# KiCad board corne-light copy.kicad_pcb (continued)
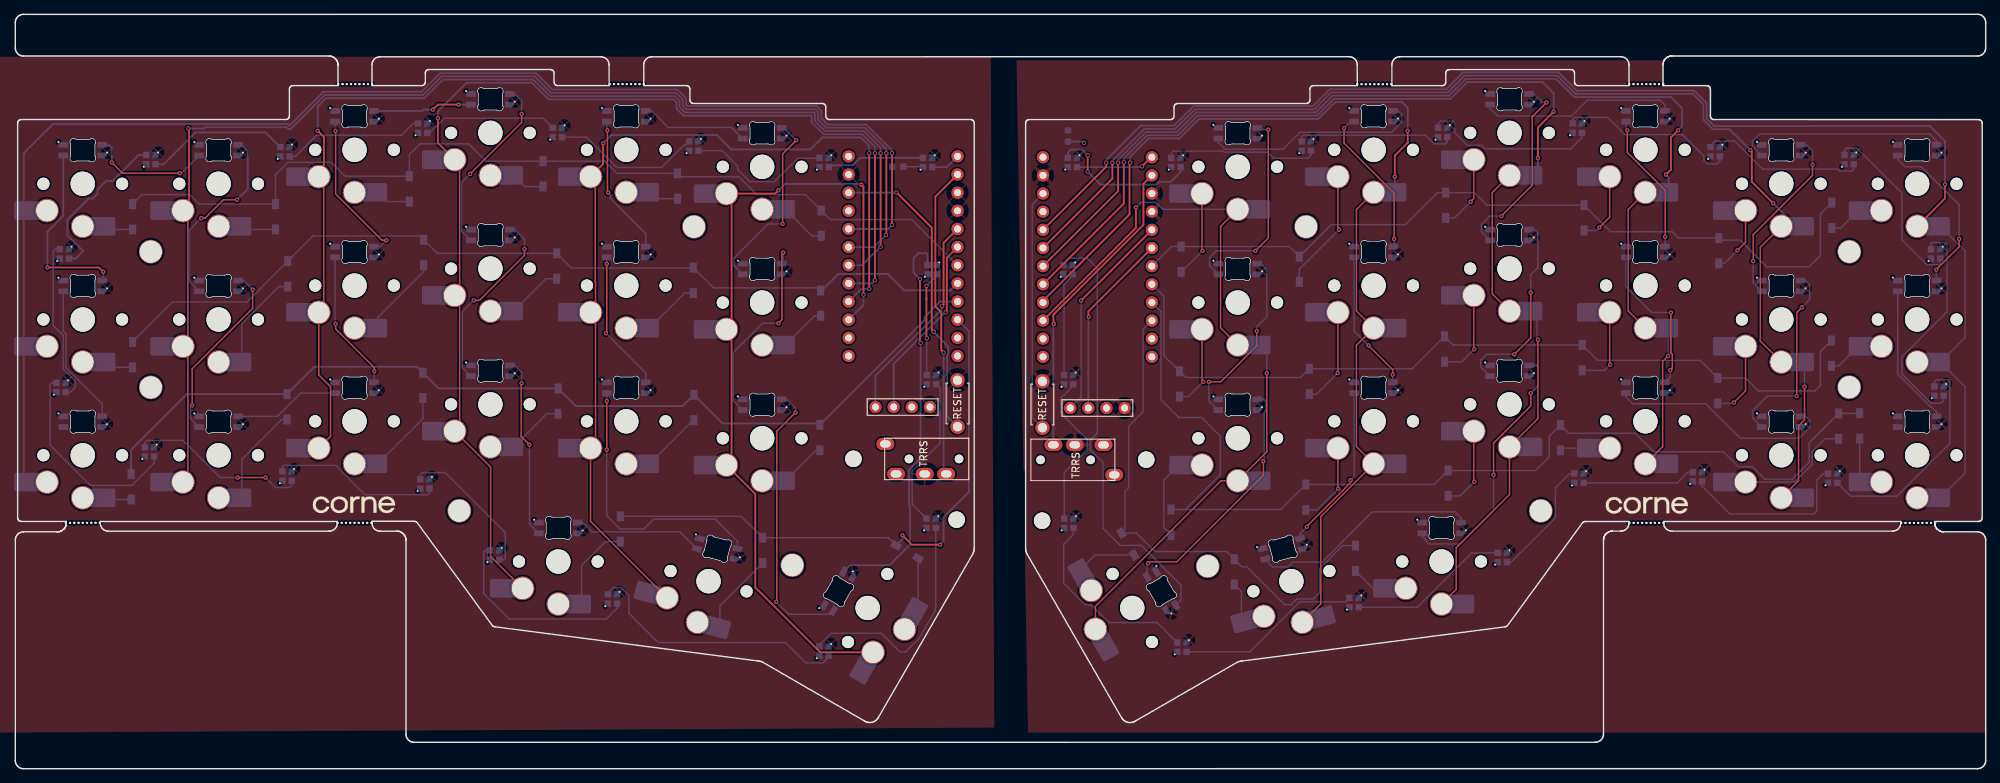
[diagram p0: board, top side]
## Nets (continued)
Net-(L39-DIN): L39.3 L45.2
Net-(L41-DIN): L41.3 L42.2
Net-(L43-DIN): L43.3 L46.2
Net-(L44-DOUT): L44.2 L47.3
Net-(L45-DIN): L45.3 L48.2
Net-(L46-DIN): L46.3 L47.2

Pads without a net: J1 A; J6 A; L13 2; L40 2; U1 11 12 13 14 24; U2 11 12 13 14 24

## Via types
v1: diameter 0.6, hole 0.3, Top to Bottom, 98 vias
v2: diameter 0.6, hole 0.4, Top to Bottom, 30 vias

## Routing (per net, layer and track width the routed paths; a pad name or vN(x,y) marks a point on that pad's centre or on a via; arc(x,y) is an arc through that point)
VCC: length 2.8
  Bottom w0.2: C1.1 126.86,84.26 BACKLED1.2
VDD: length 2.3
  Bottom w0.25: C2.1 149.27,87.78 v2(149.44,87.61)
col0: length 194.6
  Top w0.25: v2(122.59,76.1) v2(122.59,86.16)
  Bottom w0.25: SW13.1 SW7.1 SW1.1 1.19,86.15 5.28,90.24 38.11,90.24 38.34,90.01 43.09,94.76 56.82,94.76 59.42,97.36 72.8,97.36 75.1,95.06 92.57,95.06 93.79,93.83 93.79,92.96 93.99,92.76 112.03,92.76 112.69,92.09 112.69,91.06 113.59,90.16 118.98,90.16 122.59,86.54 v2(122.59,86.16) ; v2(122.59,76.1) 122.04,75.55 U1.20
col0_r: length 198.3
  Top w0.25: v1(269.82,81.78) 269.82,79.81 SW22.1 ; U2.20 152.54,84.27 v2(152.54,84.83)
  Bottom w0.2: SW34.1 272.63,41.38 272.63,53.47 SW28.1 272.63,60.38 272.63,72.47 SW22.1
  Bottom w0.25: v2(152.54,84.83) 152.54,85.21 157.34,90.01 161.99,90.01 162.86,90.87 162.89,90.87 164.77,92.76 181.44,92.76 183.79,95.11 200.09,95.11 202.44,97.46 215.79,97.46 218.34,94.91 234.73,94.91 236.49,93.14 236.49,91.01 237.54,89.96 267.69,89.96 269.82,87.83 v1(269.82,81.78)
col1: length 173.9
  Top w0.2: SW14.1 24.13,40.82 24.13,58.42 SW8.1 24.13,59.82 24.13,77.42 SW2.1
  Top w0.25: v2(24.19,89.61) 24.29,89.51 24.29,78.99 ; v2(121.74,74.71) 121.79,74.76 121.79,86.13 v2(121.79,86.13)
  Bottom w0.25: v2(121.79,86.13) 121.79,86.7 118.79,89.71 113.41,89.71 112.24,90.87 112.24,91.91 111.84,92.31 93.81,92.31 93.34,92.77 93.34,93.64 92.4,94.59 74.94,94.59 72.62,96.91 59.61,96.91 57.01,94.31 43.28,94.31 38.53,89.56 38.16,89.56 37.93,89.79 26.53,89.79 26.35,89.61 v2(24.19,89.61) ; v2(121.74,74.71) 120.05,73.01 U1.19
col1_r: length 172.2
  Top w0.2: SW35.1 249.34,40.34 249.34,48 250.17,48.84 v1(250.17,53.48) ; SW29.1 243.99,59.86 243.99,72.99 SW23.1
  Top w0.25: v1(245.79,79.16) 242.79,82.16 242.79,86.39 v1(242.6,86.59) ; v2(153.4,84.83) 153.4,82.59 U2.19
  Bottom w0.2: v1(250.17,53.48) SW29.1
  Bottom w0.25: v1(242.6,86.59) 239.68,89.51 237.36,89.51 236.04,90.82 236.04,92.96 234.54,94.46 218.16,94.46 215.61,97.01 202.63,97.01 200.28,94.66 183.98,94.66 181.63,92.31 164.96,92.31 163.07,90.42 163.04,90.42 162.18,89.56 157.88,89.56 153.4,85.07 v2(153.4,84.83) ; v1(245.79,79.16) 249.03,75.92 SW23.1
col2: length 155.1
  Top w0.2: SW3.1 43.13,82.17 43.13,64.57 SW9.1 42.43,55.12 44.08,53.47 44.08,46.52 SW15.1
  Top w0.25: v1(42.29,89.27) 43.16,88.41 43.16,83.6 SW3.1 ; v2(120.99,73.06) 120.99,73.07 120.99,86.13 v2(120.99,86.13)
  Bottom w0.25: v2(120.99,86.13) 120.99,86.87 118.6,89.26 113.22,89.26 111.79,90.68 111.79,91.72 111.66,91.86 93.62,91.86 92.89,92.58 92.89,93.46 92.21,94.14 74.75,94.14 72.43,96.46 59.79,96.46 57.19,93.86 43.47,93.86 42.29,92.68 v1(42.29,89.27) ; v2(120.99,73.06) 118.39,70.47 U1.18
col2_r: length 159.5
  Top w0.2: SW30.1 225.52,64.09 225.52,78.26 SW24.1 ; v1(231.09,57.76) 230.34,57 230.34,45.09 SW36.1
  Top w0.25: v1(230.79,83.16) 231.49,83.86 231.49,88.36 v1(232.49,89.36) ; U2.18 154.19,80.84 154.19,84.82 v2(154.2,84.83)
  Bottom w0.2: v1(231.09,57.76) 231.17,57.84 SW30.1
  Bottom w0.25: v1(232.49,89.36) 233.04,89.91 233.04,92.46 231.49,94.01 217.97,94.01 215.42,96.56 202.82,96.56 200.47,94.21 184.17,94.21 181.82,91.86 165.14,91.86 162.39,89.11 158.07,89.11 154.2,85.24 v2(154.2,84.83) ; SW24.1 231.17,82.78 v1(230.79,83.16) ; U2.18 143.7,71.11
col3: length 162.8
  Top w0.2: SW4.1 62.13,84.55 62.13,66.95 SW10.1 62.13,65.55 62.13,47.95 SW16.1 66.46,42.22 66.46,29.72 SW19.1
  Top w0.25: v2(120.18,68.37) 120.19,68.38 120.19,86.13 v2(120.19,86.13) ; v1(59.09,91.06) 59.09,87.59 SW4.1
  Bottom w0.25: v2(120.18,68.37) 119.74,67.93 U1.17 ; v2(120.19,86.13) 120.19,87.03 118.42,88.81 113.04,88.81 111.34,90.5 111.34,91.41 93.44,91.41 92.44,92.4 92.44,93.27 92.03,93.69 74.56,93.69 72.24,96.01 63.09,96.01 59.09,92.01 v1(59.09,91.06)
col3_r: length 168
  Top w0.2: SW31.1 206.52,66.46 206.52,80.64 SW25.1 ; SW40.1 201.48,25.1 201.48,30.94 208.93,38.39 SW37.1 212.89,49.01 v1(212.89,60.06)
  Top w0.25: v1(212.89,85.46) 212.89,89.75 v1(215.09,91.95) ; U2.17 154.99,79.1 154.99,84.86 v2(155,84.86)
  Bottom w0.2: v1(212.89,60.06) 212.78,60.17 212.78,63.44 SW31.1
  Bottom w0.25: v2(155,84.86) 155,85.4 158.25,88.66 162.58,88.66 165.33,91.41 182,91.41 184.35,93.76 200.65,93.76 203,96.11 213.54,96.11 215.09,94.56 v1(215.09,91.95) ; v1(212.89,85.46) 212.89,83.77 SW25.1
col4: length 133.3
  Top w0.2: SW20.1 80.43,34.62 SW17.1 81.13,45.57 81.13,63.17 SW11.1 81.13,64.57 81.13,68.12 81.09,68.16 81.09,82.21 SW5.1
  Top w0.25: SW5.1 82.19,84.64 v1(82.19,87.56) ; v2(119.39,67.16) 119.39,86.13 v2(119.39,86.13)
  Bottom w0.25: v1(82.19,87.56) 83.34,88.7 98.1,88.7 100.12,86.68 111.17,86.68 112.85,88.36 118.23,88.36 119.39,87.19 v2(119.39,86.13) ; v2(119.39,67.16) 118.29,67.16 U1.16
col4_r: length 148.7
  Top w0.2: SW26.1 187.52,78.26 187.52,64.09 SW32.1 187.52,59.26 187.52,45.09 SW38.1 182.54,35.29 182.54,23.08 SW41.1
  Top w0.25: v2(155.89,84.83) 155.79,84.73 155.79,77.59 143.7,65.5 U2.16 ; v1(194.69,89.27) 194.69,87.62 192.89,85.82 v1(192.89,82.86)
  Bottom w0.25: v2(155.89,84.83) 155.89,85.66 158.44,88.21 162.77,88.21 165.52,90.96 182.19,90.96 184.29,93.06 184.34,93.06 184.59,93.31 193.89,93.31 194.69,92.51 v1(194.69,89.27) ; SW26.1 192.89,80.95 v1(192.89,82.86)
col5: length 117.6
  Top w0.25: v2(118.59,66.36) 118.59,81.46 v1(118.29,81.76) ; v1(106.69,80.96) 106.24,80.5 SW6.1 100.16,79.77 100.16,62.22 SW12.1 100.16,60.77 100.16,43.22 SW18.1 103.47,38.46 103.47,25.38 112.56,16.29 SW21.1
  Bottom w0.25: v1(118.29,81.76) 118.19,81.86 107.59,81.86 v1(106.69,80.96) ; v2(118.59,66.36) 118.59,64.92 U1.15
col5_r: length 108.5
  Top w0.2: SW42.1 151.03,22.73 168.6,40.3 SW39.1 174.99,44.36 v1(174.99,55.36) ; SW33.1 168.53,61.7 168.53,75.9 SW27.1
  Top w0.25: v1(156.69,78.56) 156.69,75.72 U2.15
  Bottom w0.2: v1(174.99,55.36) 174.99,58.48 SW33.1 ; v1(156.69,78.56) 157.39,79.26 159.49,79.26 160.45,78.3 SW27.1
data: length 43.9
  Top w0.25: U1.2 128.64,80.07 128.64,64.71 129.47,63.88 129.47,58.58 v2(129.79,58.26)
  Bottom w0.25: J1.B 129.79,41.63 v2(129.79,58.26) 129.75,58.22
data_r: length 43.5
  Top w0.25: v1(145.19,62.26) 145.15,62.3 145.15,63.54 157.74,76.14 157.74,81.87 U2.2
  Bottom w0.25: v1(145.19,62.26) 145.15,62.21 J6.B
LED: length 4.2
  Bottom w0.25: BACKLED1.1 130.24,84.21 U1.1
LED_CONT: length 55.9
  Top w0.25: v2(126.59,59.56) 126.49,59.66 v2(126.49,68.56)
  Bottom w0.25: L21.3 116.73,28.49 122.22,28.49 125.09,31.36 125.09,36.73 124.97,36.85 124.97,41.83 126.59,43.45 v2(126.59,59.56) ; v2(126.49,68.56) 125.59,69.46 125.59,71.46 126.29,72.16 127.39,72.16 127.54,72.01 BACKLED18.3
LED_r: length 11
  Top w0.25: U2.1 158.82,85.59 v2(157.54,84.31)
  Bottom w0.25: v2(157.54,84.31) 157.44,84.2 BACKLEDr1.1
LEDr_CONT: length 60.8
  Bottom w0.2: BACKLEDr18.3 146.53,70.7 147.28,71.46 149.89,71.46 151.29,70.06 151.29,46.96 150.29,45.96 150.29,44.63 152.09,42.83 152.09,33.65 154.49,31.26 157.44,31.26 162.99,25.7 162.99,23.6 L48.3
reset: length 43.1
  Top w0.25: v2(128.39,61.16) 128.14,61.41 128.14,75.73 v2(123.22,80.66)
  Bottom w0.25: v2(128.39,61.16) 130.42,59.13 130.42,58 130.29,57.87 130.29,49.33 RSW1.1 ; U1.22 123.19,80.63 v2(123.22,80.66)
reset_r: length 34
  Bottom w0.2: RSW2.1 142.19,49.15 142.19,79 U2.22
row0: length 132.8
  Bottom w0.2: D1.1 17.72,80.36 24.39,80.36 25.72,79.03 D2.1 36.39,83.16 38.11,84.87 44.18,84.87 46.12,82.93 D3.1 55.09,85.96 56.59,87.46 63.39,87.46 65.82,85.03 D4.1 82.37,85.03 82.39,85.06 84.12,83.33 92.59,83.33 93.07,82.86 101.19,82.86 103.69,80.36 110.47,80.36 113.97,76.86 125.36,76.86 U1.7
row0_r: length 111.9
  Bottom w0.2: U2.7 161.65,73.08 D27.1 178.14,73.08 D26.1 184.02,76.16 194.39,76.16 198.87,80.63 204.02,80.63 205.79,78.86 205.82,78.88 D24.1 223.07,75.16 231.69,75.16 232.57,74.28 D23.1 238.5,73.97 241.18,73.97 244.89,70.26 250.79,70.26 252.39,71.86 252.39,77.63 D22.1
row1: length 126.8
  Bottom w0.2: D12.1 112.23,67.3 97.63,67.3 D11.1 94.74,70.08 77.75,70.08 D10.1 58.99,72.13 D9.1 56.56,74.57 41.63,74.57 D8.1 32.39,65.33 21.99,65.33 16.39,59.73
  Bottom w0.25: 112.77,66.93 115.09,69.26 121.99,69.26 124.29,66.96 130.77,66.96 U1.8
row1_r: length 116.5
  Bottom w0.2: 253.94,59.93 252.39,58.38 252.39,53.66 251.61,52.88 243.73,52.88 241.93,54.68 D29.1 235.57,57.16 221.24,57.16 D30.1 201.04,59.31 D31.1 195.32,55.98 D32.1 179.72,54.76 163.67,54.76 D33.1 160.59,57.83 160.59,66.13 U2.8
row2: length 135.8
  Bottom w0.25: U1.9 129.33,65.39 127.14,63.2 127.14,62.78 D18.1 112.3,48.32 98.9,48.32 D17.1 93.32,50.76 78.37,50.76 D16.1 59.19,53.23 D15.1 56.17,56.26 41.82,56.26 D14.1 23.99,52.43 16.19,44.64 D13.1
row2_r: length 150.4
  Bottom w0.2: U2.9 160.19,63.99 160.19,51.66 162.59,49.26 162.59,49.16 165.89,49.16 168.49,46.56 168.49,41.16 163.62,36.28 D39.1 176.94,36.28 D38.1 198.39,39.78 D37.1 212.57,41.73 214.49,43.66 214.49,46.56 D36.1 217.19,46.96 226.49,46.96 229.09,44.36 238.84,44.36 240.94,42.26 242.89,42.26 244.63,40.52 248.46,40.52 250.83,42.89 250.83,45.62 D35.1 257.87,49.73 D34.1
row3: length 81.7
  Top w0.25: v1(129.31,31.36) 125.36,31.36 v1(124.06,32.66)
  Bottom w0.2: D21.1 122.07,32.33 104.49,32.33 101.49,35.33 84.59,35.33
  Bottom w0.25: D21.1 124.06,32.15 v1(124.06,32.66) ; U1.10 133.33,61.27 133.33,38.72 129.79,35.18 129.79,31.84 v1(129.31,31.36)
row3_r: length 73.8
  Bottom w0.2: U2.10 157.69,61.5 157.69,49.96 155.69,47.96 155.69,39.36 155.15,38.81 155.15,33.49 D42.1 156.76,32.99 159.35,30.4 169.38,30.4 171.53,28.25 172.21,28.25 177.49,22.96 178.39,22.96 179.19,23.76 181.49,23.76 182.39,24.66 182.39,28.02 185.6,31.23 D40.1
SCL: length 26.1
  Top w0.25: v2(130.09,63.86) 130.24,64.01 130.24,71.51 U1.6
  Bottom w0.25: J2.2 122.81,56.68 129.99,63.86 v2(130.09,63.86)
SCL_r: length 26.1
  Top w0.25: U2.6 150.04,64.01 150.04,63.31 v1(150.09,63.26)
  Bottom w0.25: v1(150.09,63.26) 150.04,63.2 J7.2
SDA: length 29.7
  Top w0.25: v2(129.59,64.76) 129.79,64.97 129.79,73.6 U1.5
  Bottom w0.25: v2(129.59,64.76) 129.59,64.33 120.27,55.02 J2.1
SDA_r: length 29.7
  Top w0.25: v1(149.02,65.53) U2.5
  Bottom w0.2: J7.1 149.02,52 v1(149.02,65.53)
Net-(BACKLED1-DOUT): length 13.7
  Bottom w0.25: BACKLED2.1 113.99,84.46 117.09,84.46 118.14,85.51 BACKLED1.3
Net-(BACKLED2-DOUT): length 20.4
  Bottom w0.2: BACKLED3.1 98.84,86.51 100.99,84.36 100.99,83.88 102.72,82.16 106.14,82.16 109.43,85.45 112.39,85.45 BACKLED2.3
Net-(BACKLED3-DOUT): length 21
  Bottom w0.2: BACKLED4.1 79.84,88.41 84.09,84.16 90.36,84.16 93.46,87.26 93.66,87.26 BACKLED3.3
Net-(BACKLED4-DOUT): length 18.9
  Bottom w0.2: BACKLED4.3 73.8,91.05 59.99,91.05 57.94,89.01 BACKLED5.1
Net-(BACKLED5-DOUT): length 20.5
  Bottom w0.2: BACKLED6.1 39.16,85.71 42.13,88.67 54.03,88.67 55.66,90.31 BACKLED5.3
  Bottom w0.25: 38.75,85.3 BACKLED6.1
Net-(BACKLED6-DOUT): length 20.1
  Bottom w0.25: BACKLED7.1 20.74,84.61 25.19,89.06 34.99,89.06 BACKLED6.3
Net-(BACKLED7-DOUT): length 22.8
  Bottom w0.25: BACKLED7.3 17.23,85.91 13.59,82.27 12.7,82.27 11.51,81.07 11.51,80.47 10.84,79.8 10.24,79.8 7.29,76.86 7.29,74.66 9.49,72.46 8.44,71.41 BACKLED8.1
Net-(BACKLED8-DOUT): length 23
  Bottom w0.2: BACKLED8.3 5.56,72.71 5.29,72.44 5.29,62.06 6.69,60.66 6.69,55.96 8.39,54.26 8.39,53.41 7.69,52.71 BACKLED9.1
Net-(BACKLED10-DIN): length 28.6
  Bottom w0.2: BACKLED9.3 5.09,54.01 4.87,53.78 4.87,45.28 10.49,39.66 16.29,39.66 19.41,42.78 BACKLED10.1
Net-(BACKLED10-DOUT): length 24.8
  Top w0.2: v1(31.08,40.76) v1(34.99,40.76)
  Bottom w0.2: BACKLED10.3 18.11,45.66 18.41,45.96 23.45,45.96 28.65,40.76 v1(31.08,40.76) ; BACKLED11.1 38.64,39.66 38.34,39.36 36.39,39.36 v1(34.99,40.76)
Net-(BACKLED11-DOUT): length 23.7
  Bottom w0.2: BACKLED11.3 37.34,42.26 37.54,42.46 44.79,42.46 48.89,38.36 57.71,38.36 57.91,38.56 BACKLED12.1
Net-(BACKLED12-DOUT): length 20.6
  Bottom w0.2: BACKLED13.1 68.29,29.26 68.49,29.46 68.49,33.06 60.09,41.46 56.91,41.46 56.61,41.16 BACKLED12.3
Net-(BACKLED13-DOUT): length 28.2
  Bottom w0.2: BACKLED14.1 84.14,22.46 82.64,20.96 69.07,20.96 65.49,24.54 65.49,30.34 65.71,30.56 BACKLED13.3
Net-(BACKLED14-DOUT): length 37.7
  Bottom w0.2: BACKLED15.1 113.71,15.61 112.91,14.81 110.54,14.81 107.69,17.66 89.89,17.66 85.79,21.76 85.79,24.26 84.69,25.36 83.59,25.36 82.84,24.61 BACKLED14.3
Net-(BACKLED15-DOUT): length 32.8
  Bottom w0.2: BACKLED16.1 128.71,22.58 128.59,22.46 128.59,22.1 126.38,18.26 124.48,16.36 123.69,16.36 121.09,18.96 114.06,18.96 112.41,17.31 BACKLED15.3
Net-(BACKLED16-DOUT): length 21.5
  Bottom w0.2: BACKLED16.3 125.39,37.03 125.39,41.66 129.29,45.56 129.29,53.26 BACKLED17.1
Net-(BACKLED17-DOUT): length 14.7
  Top w0.25: v2(127.39,67.58) 127.39,65.76 127.4,65.76 127.4,60.3 v2(127.44,60.26)
  Bottom w0.2: BACKLED17.3 v2(127.44,60.26)
  Bottom w0.25: BACKLED18.1 128.84,69.03 v2(127.39,67.58)
Net-(BACKLEDr1-DOUT): length 21.4
  Top w0.25: v2(149.94,83.58) v2(149.94,85.86)
  Bottom w0.25: v2(149.94,83.58) 151.77,81.76 159.59,81.76 159.99,82.16 161.58,82.16 162.93,83.5 BACKLEDr2.1 ; v2(149.94,85.86) 149.14,86.66 147.61,86.66 147.16,86.2 BACKLEDr1.3
Net-(BACKLEDr2-DOUT): length 21.6
  Bottom w0.2: BACKLEDr3.1 181.16,85.85 180.76,85.45 175.93,85.45 175.08,86.3 169,86.3 168.85,86.46 161.89,86.46 161.63,86.19 BACKLEDr2.3
Net-(BACKLEDr3-DOUT): length 22.4
  Bottom w0.2: BACKLEDr4.1 200.23,87.75 199.93,87.46 198.39,87.46 197.18,88.67 180.08,88.67 179.86,88.45 BACKLEDr3.3
Net-(BACKLEDr4-DOUT): length 24.6
  Bottom w0.2: BACKLEDr4.3 198.93,90.29 199.29,90.66 200.99,90.66 201.29,90.36 201.29,89.03 203.06,87.26 204.99,87.26 205.49,86.76 217.46,86.76 219.06,88.35 BACKLEDr5.1
Net-(BACKLEDr5-DOUT): length 25.4
  Bottom w0.2: BACKLEDr5.3 217.76,90.95 217.96,91.16 222.69,91.16 225.09,88.76 233.09,88.76 236.09,85.76 236.09,85.16 236.59,84.66 237.95,84.66 238.34,85.05 BACKLEDr6.1 238.55,85.7
Net-(BACKLEDr6-DOUT): length 23
  Bottom w0.2: BACKLEDr7.1 257.06,83.92 256.79,83.66 255.09,83.66 254.83,83.92 244.33,83.92 240.39,87.86 237.7,87.86 237.04,87.2 BACKLEDr6.3
Net-(BACKLEDr7-DOUT): length 25.5
  Bottom w0.2: BACKLEDr8.1 269.16,70.75 268.96,70.56 267.29,70.56 263.79,74.06 263.79,80.56 257.49,86.86 256.06,86.86 255.76,86.55 BACKLEDr7.3
Net-(BACKLEDr8-DOUT): length 32.3
  Bottom w0.2: BACKLEDr9.1 269.63,51.56 269.23,51.16 267.88,51.16 263.79,55.24 263.79,57.66 270.09,63.96 270.09,73.36 269.79,73.66 267.99,73.66 267.86,73.52 BACKLEDr8.3
Net-(BACKLEDr10-DIN): length 31.3
  Bottom w0.2: BACKLEDr9.3 268.33,54.16 268.63,54.46 270.29,54.46 270.49,54.26 270.49,45.54 263.11,38.16 256.61,38.16 BACKLEDr10.1
Net-(BACKLEDr10-DOUT): length 24.8
  Bottom w0.2: BACKLEDr10.3 252.81,41.31 251.89,40.39 251.89,36.05 251.5,35.66 239.74,35.66 235.84,39.56 BACKLEDr11.1
Net-(BACKLEDr11-DOUT): length 15.9
  Bottom w0.2: BACKLEDr11.3 233.89,41.51 232.39,40.01 BACKLEDr12.1
Net-(BACKLEDr12-DOUT): length 17
  Bottom w0.2: BACKLEDr12.3 217.34,41.31 215.35,39.31 215.35,35.11 209.14,28.91 BACKLEDr13.1
Net-(BACKLEDr13-DOUT): length 22.6
  Bottom w0.2: BACKLEDr14.1 196.04,22.61 203.64,30.21 BACKLEDr13.3
Net-(BACKLEDr14-DOUT): length 25.9
  Bottom w0.2: BACKLEDr14.3 185.99,23.36 179.59,23.36 172.59,16.36 BACKLEDr15.1
Net-(BACKLEDr15-DOUT): length 27.6
  Bottom w0.2: BACKLEDr15.3 159.67,20.45 152.9,20.45 150.39,22.96 149.59,22.96 146.59,25.96 146.59,31.46 147.96,32.82 BACKLEDr16.1
Net-(BACKLEDr16-DOUT): length 22.4
  Bottom w0.2: BACKLEDr17.1 147.93,53.6 146.19,51.87 146.19,49.76 149.89,46.06 149.89,44.66 146.66,41.42 BACKLEDr16.3
Net-(BACKLEDr17-DOUT): length 14.6
  Bottom w0.2: BACKLEDr17.3 146.63,67.8 147.83,69 BACKLEDr18.1
Net-(D1-A): length 3.9
  Bottom w0.2: SW1.2 13.12,75.48 16.39,75.48
Net-(D2-A): length 4.9
  Bottom w0.2: 36.39,75.48 32.12,75.48 SW2.2
Net-(D3-A): length 5
  Bottom w0.2: SW3.2 51.97,79.38 D3.2
Net-(D4-A): length 4.8
  Bottom w0.2: 73.79,81.48 71.24,81.48 SW4.2
Net-(D5-A): length 4.3
  Bottom w0.2: SW5.2 89.57,79.78 D5.2
Net-(D6-A): length 6.6
  Bottom w0.2: D6.2 111.39,74.58 SW6.2
Net-(D7-A): length 4
  Bottom w0.2: SW7.2 13.42,56.18 16.39,56.18
Net-(D8-A): length 13.9
  Bottom w0.2: D8.2 36.84,67.48 31.68,62.31 SW8.2
Net-(D9-A): length 11.5
  Bottom w0.2: D9.2 57.09,69.58 50.68,63.16 SW9.2
Net-(D10-A): length 7.9
  Bottom w0.2: SW10.2 74.21,68.58 D10.2
Net-(D11-A): length 8.2
  Bottom w0.2: SW11.2 93.59,66.58 D11.2
Net-(D12-A): length 6.6
  Bottom w0.2: SW12.2 111.76,63.38 D12.2
Net-(D13-A): length 3.6
  Bottom w0.2: 16.19,37.68 12.92,37.68 SW13.2
Net-(D14-A): length 14
  Bottom w0.2: SW14.2 31.68,43.31 37.24,48.88 D14.2
Net-(D15-A): length 11.8
  Bottom w0.2: D15.2 56.99,48.99 SW15.2
Net-(D16-A): length 8.1
  Bottom w0.2: SW16.2 74.31,49.68 D16.2
Net-(D17-A): length 8.7
  Bottom w0.2: SW17.2 94.79,48.78 D17.2
Net-(D18-A): length 6.6
  Bottom w0.2: D18.2 111.96,44.58 SW18.2
Net-(D19-A): length 12.2
  Bottom w0.2: D19.2 82.52,31.78 79.18,28.44 SW19.2
Net-(D20-A): length 11.6
  Bottom w0.2: SW20.2 98.53,22.81 D20.2
Net-(D21-A): length 7.2
  Bottom w0.2: SW21.2 126.23,22.61 D21.2
Net-(D22-A): length 4.7
  Bottom w0.2: SW22.2 255.24,75.68 253.99,75.68
Net-(D23-A): length 9.4
  Top w0.2: SW23.2 241.93,73.69 v1(240.79,72.56)
  Bottom w0.2: D23.2 238.97,70.73 v1(240.79,72.56)
Net-(D24-A): length 10
  Top w0.2: SW24.2 222.93,77.19 v1(221.49,75.76)
  Bottom w0.2: 219.34,75.33 221.07,75.33 v1(221.49,75.76)
Net-(D25-A): length 10.5
  Top w0.2: v1(203.49,79.36) 203.93,79.79 SW25.2
  Bottom w0.2: v1(203.49,79.36) 201.22,77.08 D25.2
Net-(D26-A): length 17.1
  Top w0.2: SW26.2 184.93,75.62 v1(185.09,75.46)
  Bottom w0.2: v1(185.09,75.46) 179.54,69.91 D26.2
Net-(D27-A): length 13
  Top w0.2: SW27.2 165.93,72.55 v1(165.99,72.48)
  Bottom w0.2: v1(165.99,72.48) 163.04,69.53 D27.2 ; SW27.2 162.19,80.01
Net-(D28-A): length 4.9
  Bottom w0.2: SW28.2 254.94,56.38 D28.2
Net-(D29-A): length 10.8
  Top w0.2: v1(240.29,51.26) 241.93,52.89 SW29.2
  Bottom w0.2: v1(240.29,51.26) 240.17,51.13 D29.2
Net-(D30-A): length 11.6
  Top w0.2: v1(222.99,56.56) 222.93,56.62 SW30.2
  Bottom w0.2: v1(222.99,56.56) 222.19,55.76 D30.2
Net-(D31-A): length 12.4
  Top w0.2: SW31.2 203.93,58.77 v1(203.99,58.71)
  Bottom w0.2: v1(203.99,58.71) 202.24,56.96 D31.2
Net-(D32-A): length 13.7
  Top w0.2: v1(184.89,55.38) 184.93,55.42 SW32.2
  Bottom w0.2: D32.2 181.94,52.43 v1(184.89,55.38)
Net-(D33-A): length 11.6
  Top w0.2: v1(166.09,54.16) 165.93,54.32 SW33.2
  Bottom w0.2: v1(166.09,54.16) 164.02,52.08 162.79,52.08
Net-(D34-A): length 6.2
  Bottom w0.2: D34.2 257.89,40.33 SW34.2
Net-(D35-A): length 16.6
  Bottom w0.2: SW35.2 248.76,40.12 251.23,42.59 251.23,44.37 253.04,46.18 D35.2
Net-(D36-A): length 3.8
  Bottom w0.2: SW36.2 216.36,44.87 D36.2
Net-(D37-A): length 11.6
  Top w0.2: v1(203.99,40.16) 203.93,40.22 SW37.2
  Bottom w0.2: 200.34,38.18 202.02,38.18 v1(203.99,40.16)
Net-(D38-A): length 11.5
  Top w0.2: v1(184.99,39.18) 184.93,39.25 SW38.2
  Bottom w0.2: D38.2 182.04,36.23 v1(184.99,39.18)
Net-(D39-A): length 11
  Bottom w0.2: D39.2 160.59,33.73 160.59,40.41 SW39.2
Net-(D40-A): length 4.8
  Bottom w0.2: 187.39,27.68 189.83,25.25 SW40.2
Net-(D41-A): length 5.7
  Bottom w0.2: SW41.2 171.44,24.79 D41.2
Net-(D42-A): length 8.5
  Bottom w0.2: SW42.2 150.96,29.92 D42.2
Net-(L1-DIN): length 17.4
  Top w0.2: v1(13.49,84.86) 14.99,83.36 v1(22.99,83.36)
  Bottom w0.2: v1(22.99,83.36) 23.24,83.36 L2.2
  Bottom w0.25: v1(13.49,84.86) 13.49,86.86 13.09,87.26 12.22,87.26 L1.3
Net-(L1-DOUT): length 25.9
  Top w0.25: v1(12.29,69.56) 11.69,70.16 v1(4.49,70.16)
  Bottom w0.25: L7.3 12.29,68.46 v1(12.29,69.56) ; L1.2 6.71,77.37 4.49,75.16 v1(4.49,70.16)
Net-(L2-DIN): length 26.6
  Top w0.2: v1(30.99,79.63) 29.09,79.63 26.52,77.06 v1(25.99,77.06)
  Bottom w0.2: v1(25.99,77.06) 24.39,75.46 24.39,68.14 L8.2
  Bottom w0.25: L2.3 31.63,87.32 32.49,86.46 32.49,81.13 v1(30.99,79.63)
Net-(L3-DIN): length 13.9
  Top w0.25: v1(61.99,92.96) 59.09,92.96 v1(58.39,92.26)
  Bottom w0.25: v1(61.99,92.96) 62,92.95 L4.2 ; v1(58.39,92.26) 57.09,92.26 56.91,92.07 L3.3
Net-(L3-DOUT): length 22
  Top w0.2: v1(44.79,89.27) 44.79,80.46 51.28,73.97 v1(51.89,73.97)
  Bottom w0.2: v1(51.89,73.97) 51,73.07 L9.3 ; L3.2 44.71,89.36 v1(44.79,89.27)
Net-(L5-DIN): length 15.2
  Bottom w0.2: L6.2 100.15,89.76 91.29,89.76 88.98,92.07 L5.3
Net-(L10-DIN): length 26.3
  Top w0.2: v1(71.19,72.73) 71.19,71.86 64.89,65.56 v1(64.09,65.56)
  Bottom w0.2: v1(71.19,72.73) 71.19,74.09 69.83,75.45 L10.3 ; v1(64.09,65.56) 62.49,63.96 62.49,56.16 L16.2
Net-(L10-DOUT): length 25.6
  Top w0.2: v1(70.79,91.65) 70.79,90.46 v1(63.59,83.26)
  Bottom w0.2: L4.3 69.83,94.45 70.79,93.49 v1(70.79,91.65) ; L10.2 62.39,75.26 62.39,82.06 v1(63.59,83.26)
Net-(L11-DIN): length 19.8
  Top w0.2: v1(82.89,80.66) 82.79,80.76 v1(82.79,89.36)
  Bottom w0.2: v1(82.89,80.66) 83.19,80.36 83.19,79.86 88.16,74.89 L11.3 ; v1(82.79,89.36) 82.71,89.44 L5.2
Net-(L11-DOUT): length 19.9
  Top w0.2: v1(82.59,60.96) 82.69,61.06 v1(82.69,70.68)
  Bottom w0.2: v1(82.69,70.68) 82.71,70.69 L11.2 ; L17.3 88.16,55.39 v1(82.59,60.96)
Net-(L12-DIN): length 28.4
  Top w0.2: v1(107.39,72.26) 107.19,72.06 107.19,62.86 v1(106.69,62.36)
  Bottom w0.2: L12.3 107.39,70.94 v1(107.39,72.26) ; L18.2 100.39,51.51 100.39,58.26 104.49,62.36 v1(106.69,62.36)
Net-(L12-DOUT): length 26.8
  Top w0.2: v1(107.29,76.26) 107.29,86.06 v1(109.19,87.96)
  Bottom w0.2: v1(109.19,87.96) 107.45,89.7 L6.3 ; L12.2 100.49,70.41 100.49,71.46 105.29,76.26 v1(107.29,76.26)
Net-(L13-DIN): length 19.8
  Bottom w0.2: L13.3 12.16,51.06 7.09,56.12 7.09,60.82 6.71,61.21 L7.2
Net-(L14-DIN): length 14.9
  Bottom w0.2: L15.2 39.91,52.57 36.66,49.32 L14.3
Net-(L14-DOUT): length 25.9
  Top w0.2: v1(24.73,50.86) 24.73,55.98 33.19,64.44 v1(33.19,67.06)
  Bottom w0.2: L14.2 24.49,49.04 24.49,50.62 v1(24.73,50.86) ; v1(33.19,67.06) 31.93,68.32 L8.3
Net-(L15-DIN): length 19.8
  Top w0.2: v1(50.19,55.63) 50.19,56.15 44.79,61.55 v1(44.79,62.26)
  Bottom w0.2: L15.3 50.19,54.11 v1(50.19,55.63) ; L9.2 44.71,62.34 v1(44.79,62.26)
Net-(L16-DIN): length 25.6
  Top w0.2: v1(70.79,53.96) 70.73,53.89 70.73,46.52 v1(71.89,45.36)
  Bottom w0.2: L16.3 69.83,56.45 70.79,55.49 v1(70.79,53.96) ; v1(71.89,45.36) 71.89,34.26 L19.2
Net-(L17-DOUT): length 39.1
  Top w0.2: v1(82.69,51.46) v1(82.69,44.66)
  Bottom w0.2: L20.3 100.97,31.84 97.89,34.93 89.27,34.93 87.89,33.56 84.57,33.56 82.69,35.43 v1(82.69,44.66) ; v1(82.69,51.46) 82.71,51.47 L17.2
Net-(L18-DIN): length 39.6
  Top w0.2: v1(106.39,23.36) 106.48,23.44 106.48,47.24 v1(109.09,49.86)
  Bottom w0.2: L18.3 107.83,51.7 109.09,50.44 v1(109.09,49.86) ; L21.2 113.9,21.62 108.13,21.62 v1(106.39,23.36)
Net-(L19-DIN): length 18.2
  Bottom w0.2: L19.3 79.33,34.45 80.62,33.16 92.93,33.16 L20.2
Net-(L28-DIN): length 29.7
  Bottom w0.2: L29.2 243.2,86.83 243.2,86.84 242.89,87.14 242.89,87.86 243.86,88.82 267.69,88.82 268.65,87.86 L28.3
Net-(L28-DOUT): length 23.7
  Top w0.2: v1(271.79,74.16) 271.79,73.06 v1(268.59,69.86)
  Bottom w0.2: L28.2 263.2,85.29 264.24,84.26 266.49,84.26 271.79,78.96 v1(271.79,74.16) ; v1(268.59,69.86) 268.59,68.38 L34.3
Net-(L29-DIN): length 25.6
  Top w0.2: v1(242.99,71.06) 242.99,74.75 251.29,83.05 v1(251.29,84.52)
  Bottom w0.2: v1(251.29,84.52) 251.29,86.46 250.43,87.32 L29.3 ; L35.2 242.99,68.03 v1(242.99,71.06)
Net-(L30-DIN): length 27.4
  Bottom w0.2: L30.3 230.65,92.9 229.98,93.57 219.81,93.57 217.6,91.35 207.27,91.35 206.2,92.42 L31.2
Net-(L30-DOUT): length 19.8
  Top w0.2: v1(225.39,89.36) 225.39,86.26 230.69,80.96 v1(230.69,74.46)
  Bottom w0.2: L36.3 230.69,73.11 v1(230.69,74.46) ; L30.2 225.2,89.55 v1(225.39,89.36)
Net-(L31-DIN): length 27.4
  Top w0.2: v1(214.09,93.26) 212.09,91.26 212.09,81.66 v1(207.79,77.36)
  Bottom w0.2: L31.3 212.33,94.45 213.52,93.26 v1(214.09,93.26) ; L37.2 204.99,75.16 204.99,76.16 206.19,77.36 v1(207.79,77.36)
Net-(L32-DIN): length 30.6
  Bottom w0.2: L33.2 168.2,87.67 169.17,86.7 177.26,86.7 179.64,89.08 192.42,89.08 193.89,90.56 193.89,91.51 193.33,92.07 L32.3
Net-(L32-DOUT): length 21.3
  Top w0.2: v1(192.79,74.16) 192.79,80.57 185.79,87.57 v1(185.79,89.68)
  Bottom w0.2: v1(185.79,89.68) 186.69,90.57 L32.2 ; v1(192.79,74.16) 192.79,73.21 L38.3
Net-(L33-DIN): length 29
  Top w0.2: v1(173.39,72.48) 175.19,74.28 v1(175.19,89.46)
  Bottom w0.2: L39.2 166.99,70.41 166.99,71.56 167.92,72.48 v1(173.39,72.48) ; L33.3 173.9,89.46 v1(175.19,89.46)
Net-(L34-DOUT): length 19.8
  Bottom w0.2: L40.3 268.65,49.9 267.84,50.71 267.72,50.71 263.2,55.23 L34.2
Net-(L35-DIN): length 27.7
  Top w0.2: v1(249.09,52.16) 249.09,63.86 v1(249.79,64.56)
  Bottom w0.2: v1(249.79,64.56) 250.89,65.66 250.89,67.76 250.33,68.32 L35.3 ; v1(249.09,52.16) 244.99,52.16 242.89,50.06 242.89,49.13 L41.2
Net-(L36-DOUT): length 22.2
  Top w0.2: v1(231.39,55.76) 231.69,56.06 231.69,58.01 231.49,58.21 v1(231.49,63.86)
  Bottom w0.2: L42.3 231.39,54.81 v1(231.39,55.76) ; L36.2 225.2,67.45 228.8,63.86 v1(231.49,63.86)
Net-(L37-DIN): length 27.6
  Top w0.2: v1(211.89,66.66) 211.89,60.3 v1(209.59,58)
  Bottom w0.2: L37.3 212.4,75.45 212.89,74.96 212.89,70.16 211.89,69.16 v1(211.89,66.66) ; L43.2 204.89,56.26 204.89,57.16 205.74,58 v1(209.59,58)
Net-(L38-DOUT): length 19.8
  Top w0.2: v1(192.59,55.16) 192.59,55.86 v1(189.19,59.26)
  Bottom w0.2: v1(189.19,59.26) 187.2,61.25 L38.2 ; L44.3 192.59,54.13 v1(192.59,55.16)
Net-(L39-DIN): length 26.2
  Top w0.2: v1(173.59,61.26) 173.59,59.21 168.54,54.16 v1(166.89,54.16)
  Bottom w0.2: v1(166.89,54.16) 166.89,51.51 L45.2 ; v1(173.59,61.26) 173.59,61.86 174.99,63.26 174.99,69.86 174.15,70.7 L39.3
Net-(L41-DIN): length 31.8
  Bottom w0.2: L42.2 225.2,52.04 226.16,51.08 236.37,51.08 241.19,46.26 249.39,46.26 250.99,47.86 250.99,48.66 250.33,49.32 L41.3
Net-(L43-DIN): length 36.9
  Top w0.2: v1(206.69,41.13) 206.69,45.57 211.89,50.77 v1(211.89,52.56)
  Bottom w0.2: L46.2 196.7,32.56 197.1,32.16 197.18,31.99 197.37,31.74 197.66,31.46 202.09,31.46 206.69,36.06 v1(206.69,41.13) ; L43.3 212.7,56.45 212.89,56.26 212.89,53.56 v1(211.89,52.56)
Net-(L44-DOUT): length 23.5
  Top w0.2: v1(180.59,33.86) 180.59,33.93 186.69,40.03 v1(186.69,40.38)
  Bottom w0.2: L44.2 187.2,40.89 v1(186.69,40.38) ; v1(180.59,33.86) 179.65,32.91 L47.3
Net-(L45-DIN): length 35
  Top w0.2: v1(174.51,43.04) 174.51,41.08 162.39,28.96 158.59,28.96 v1(158.39,28.76)
  Bottom w0.2: L48.2 158.24,28.6 v1(158.39,28.76) ; L45.3 174.55,51.7 174.89,51.36 174.89,50.16 174.63,49.89 174.63,43.15 v1(174.51,43.04)
Net-(L46-DIN): length 32.1
  Bottom w0.2: L46.3 202.15,35.1 201.31,35.94 189.75,35.94 182.73,28.93 178.64,28.93 177.96,28.25 175.79,28.25 174.77,29.26 L47.2

## Copper pours and planes (outline as drawn; the poured copper is in the pictures)
GND on Top, Bottom, In2.Cu: 137.59,99.66 136.39,99.36 136.89,5.76 -2.21,5.06 -2.81,4.76 -3.71,99.66
GNDA on Top, Bottom, In2.Cu: 139.59,99.16 280.99,99.16 282.89,98.96 283.09,5.06 141.29,5.06 141.59,4.86 139.99,99.26
VCC on In1.Cu: -4.51,99.86 136.89,99.86 136.49,99.76 137.19,4.66 -2.01,4.36 -3.51,4.36 -4.01,99.66
VDD on In1.Cu: 139.59,99.66 283.19,99.66 282.89,5.06 141.09,5.06 140.79,5.16 139.99,99.46

## Text on the board
B.Silkscreen: JLCJLCJLC | Corne Light v2.0 PCB Designed by foostan / modified by idank | 7ad848e
